# Altium PCB Inverter_2kW.PcbDoc (part 2 of 3)
Units mm, origin at the board's own origin, x right, y up, seen from the top; angles counter-clockwise.
Board outline 300 x 220 mm, 4 copper layers (Top Layer, Mid-Layer 1, Mid-Layer 2, Bottom Layer), stack 1.496 mm thick; 300 components, 167 nets, 848 pads, 363 vias.
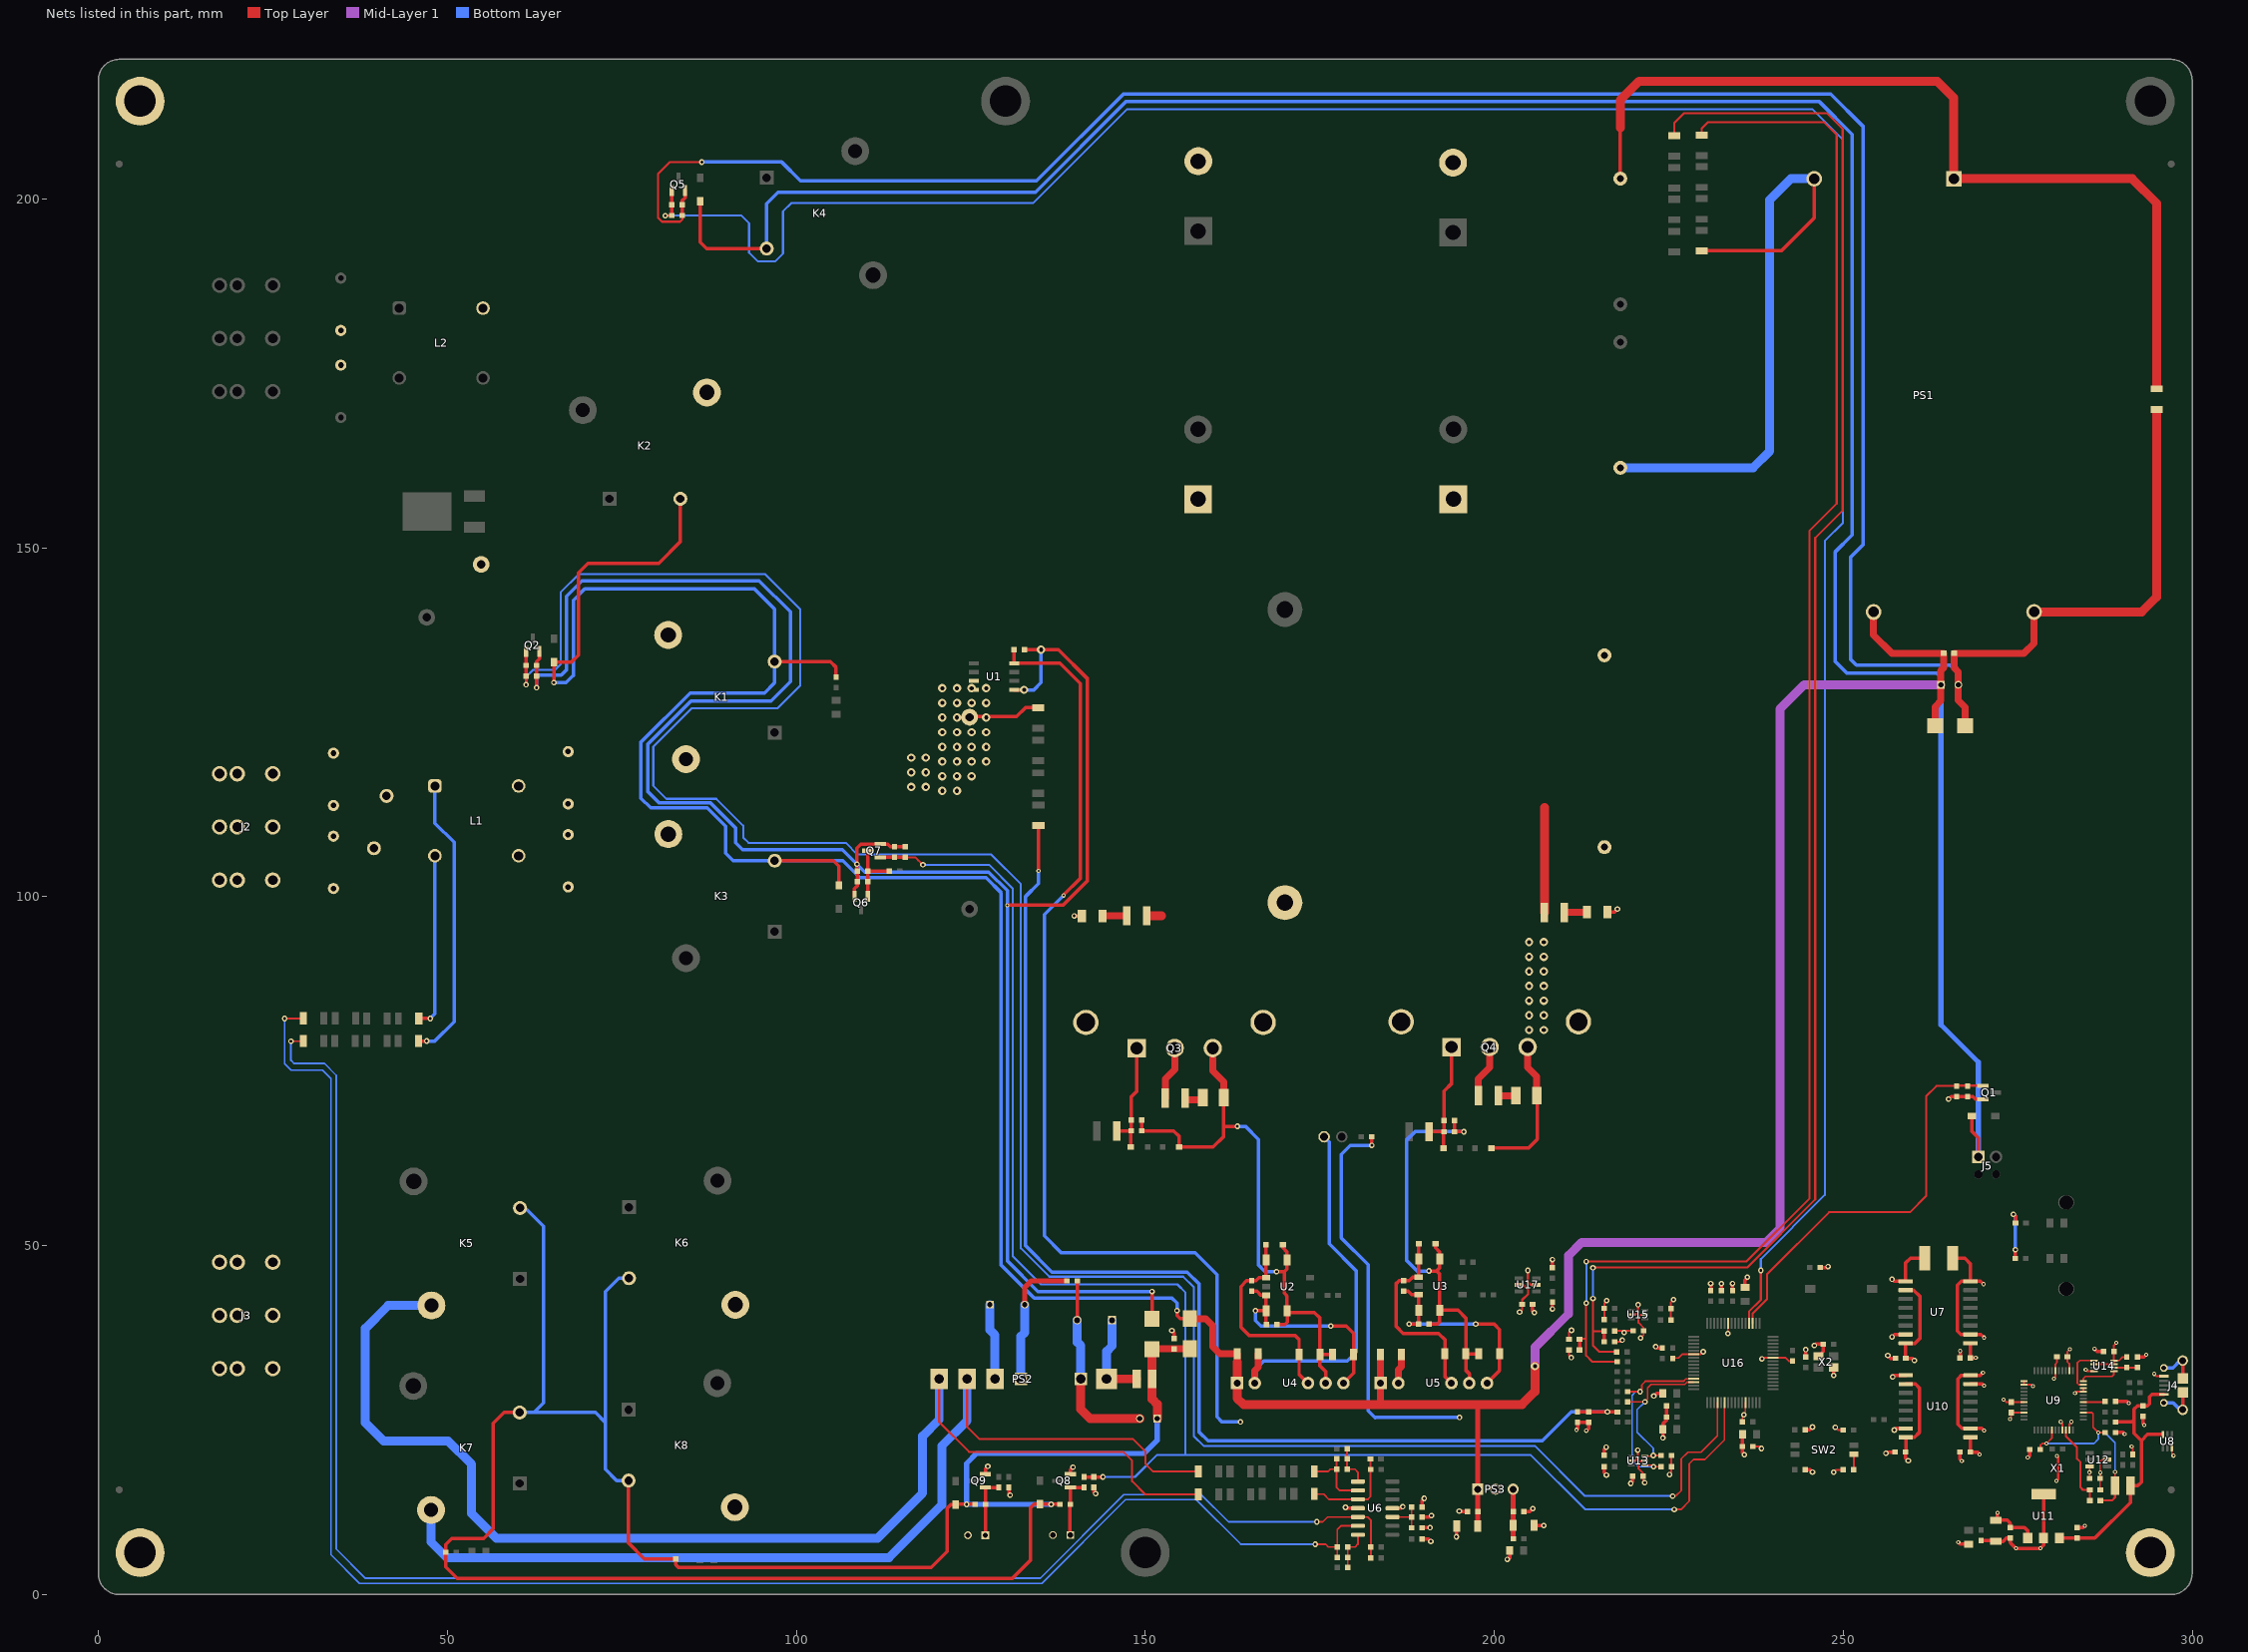
[diagram p4: the nets of this part, all layers, seen from the top]

## Part data
C1 C3 C8 C19 C23 C24 C25 C40: library part CAP_YAG_CC0603KRNPO9BN102_NPO, "Capacitor 1.0n 0603 +-10% 50V", MFR=Yageo, MPN=CC0603KRNPO9BN102, Package / Case=0603, Tolerance=+-10%, Voltage (V)=50, Capacitor (Farad)=1.0n, Category=Capacitor, Part Number=CAP_YAG_CC0603KRNPO9BN102_NPO, Thickness (mm)=0.8, Type=NPO
C2 C34 C53 C54 C56 C59 C61 C62 C64 C66 C71 C72 C73 C78 C79 C94: library part CAP_YAG_CC0603KRX7R9BB104_X7R, "Capacitor 100n 0603 +-10% 50V", MFR=Yageo, MPN=CC0603KRX7R9BB104, Package / Case=0603, Tolerance=+-10%, Voltage (V)=50, Capacitor (Farad)=100n, Part Number=CAP_YAG_CC0603KRX7R9BB104_X7R, Thickness (mm)=0.8, Type=X7R
  C56 C59 C61 C62 C64 C66 C71 C72 C73 C78 C79 C94: Category=Capacitor
C4: library part CAP, MFR="EPCOS / TDK", MPN=B32674D6225K, Supplier="EPCOS / TDK"
C5 C6 C17 C18: library part "Cap Pol1", "Aluminium Electrolytic Capacitors - Snap In 450VDC 470uF 20% PVC STD 6.3mm Term", MFR="EPCOS / TDK", MPN=B43640B5477M000
C7 C49 C52: library part CAP_YAG_CC0603KRNPO9BN101_NPO, "Capacitor 100p 0603 +-10% 50V", MFR=Yageo, MPN=CC0603KRNPO9BN101, Package / Case=0603, Tolerance=+-10%, Voltage (V)=50, Capacitor (Farad)=100p, Category=Capacitor, Part Number=CAP_YAG_CC0603KRNPO9BN101_NPO, Thickness (mm)=0.8, Type=NPO
C9 C20: library part CAP, "Capacitor 100p 1210 +-5% 1kV", MFR=Vishay, MPN=VJ1210A101JXGAT5Z
C10: library part CAP, "CAP FILM 10UF 10% 900VDC", MFR="Vishay / Roederstein", MPN=MKP1848C61090KK2, Price=2.88
C11 C12: library part CAP, "0.01uF ±10% 1000V", MFR=Murata, MPN=GRM31CR73A103KW03L
C13 C14 C15 C16 C21 C22: library part CAP, "4700pF ±20% 440VAC Ceramic Capacitor", MFR=KEMET, MPN=C947U472MZVDBA7317
C26 C55 C58: library part CAP_YAG_CC0603KRX7R9BB105_X7R, "Capacitor 1.0u 0603 +-10% 50V", MFR=Yageo, MPN=CC0603KRX7R9BB105, Package / Case=0603, Tolerance=+-10%, Voltage (V)=50, Capacitor (Farad)=1.0u, Category=Capacitor, Part Number=CAP_YAG_CC0603KRX7R9BB105_X7R, Thickness (mm)=0.8, Type=X7R
C27 C36 C90 C95: library part CAP_YAG_CC0603KRX5R8BB105_X5R, "Capacitor 1.0u 0603 +-10% 25V", MFR=Yageo, MPN=CC0603KRX7R9BB105, Package / Case=0603, Tolerance=+-10%, Voltage (V)=25, Capacitor (Farad)=1.0u, Category=Capacitor, Part Number=CAP_YAG_CC0603KRX5R8BB105_X5R, Thickness (mm)=0.8, Type=X5R
C28 C31 C37 C39 C45 C46: library part CAP_YAG_CC1206KKX7R8BB475, "Capacitor 4.7u 1206 +-10% 25V", MFR=Yageo, MPN=CC1206KKX7R8BB475, Tolerance=+-10%, Voltage (V)=50, Category=Capacitor, Type=X7R
C29 C30 C32 C35: library part "Cap Pol1", "CAP ALUM 100UF 20% 25V SMD", MFR=Panasonic, MPN=EEU-FC1E101S
C33: library part "Cap Pol1", "CAP ALUM 270UF 20% 25V SMD", MFR=Panasonic, MPN=EEU-FC1E271B
C38: library part "Cap Pol1", "CAP ALUM 22UF 20% 450V SMD", MFR=Rubycon, MPN=450BXW22MEFR12.5X20
C41 C42 C43 C44 C67 C80 C81: library part CAP_YAG_CC1206KKX7R8BB106, "Capacitor 10u 1206 +-10% 25V", MFR=Yageo, MPN=CC1206KKX7R8BB106, Tolerance=+-10%, Voltage (V)=50, Category=Capacitor, Type=X7R
C47 C48 C50 C51: library part CAP_YAG_CC0603KRNPO9BN221_NPO, "Capacitor 220p 0603 +-10% 50V", MFR=Yageo, MPN=CC0603KRNPO9BN221, Package / Case=0603, Tolerance=+-10%, Voltage (V)=50, Capacitor (Farad)=220p, Category=Capacitor, Part Number=CAP_YAG_CC0603KRNPO9BN221_NPO, Thickness (mm)=0.8, Type=NPO
C57 C65: library part CAP_YAG_CC0603KRX7R9BB474_X7R, "Capacitor 470n 0603 +-10% 50V", MFR=Yageo, MPN=CC0603KRX7R9BB474, Package / Case=0603, Tolerance=+-10%, Voltage (V)=50, Capacitor (Farad)=470n, Category=Capacitor, Part Number=CAP_YAG_CC0603KRX7R9BB474_X7R, Thickness (mm)=0.8, Type=X7R
C60 C70: library part CAP_YAG_CC0603KRX7R9BB224_X7R, "Capacitor 220n 0603 +-10% 50V", MFR=Yageo, MPN=CC0603KRX7R9BB224, Package / Case=0603, Tolerance=+-10%, Voltage (V)=50, Capacitor (Farad)=220n, Category=Capacitor, Part Number=CAP_YAG_CC0603KRX7R9BB224_X7R, Thickness (mm)=0.8, Type=X7R
C63 C82: library part CAP_YAG_CC0603KRX7R9BB104_X7R, "Capacitor 100n 0603 +-10% 50V", Manufacturer=Yageo, Manufacturer Part Number=CC0603KRX7R9BB104, Package / Case=0603, Tolerance=+-10%, Voltage (V)=50, Capacitor (Farad)=100n, Category=Capacitor, Part Number=CAP_YAG_CC0603KRX7R9BB104_X7R, Thickness (mm)=0.8, Type=X7R
C68 C83 C84 C85 C91 C92 C93: library part CAP_YAG_CC0603KRX5R8BB225_X5R, "Capacitor 2.2u 0603 +-10% 25V", MFR=Yageo, MPN=CC0603KRX5R8BB225, Package / Case=0603, Tolerance=+-10%, Voltage (V)=25, Capacitor (Farad)=2.2u, Category=Capacitor, Part Number=CAP_YAG_CC0603KRX5R8BB225_X5R, Thickness (mm)=0.8, Type=X5R
C69: library part CAP, "0.1uF ±10% 1000V", MFR=KEMET, MPN=C1812C104KDRACTU
C74 C75 C76 C77 C86 C87 C88 C89: library part CAP_YAG_CC0603KRX7R9BB333_X7R, "Capacitor 33n 0603 +-10% 50V", MFR=Yageo, MPN=CC0603KRX7R9BB333, Package / Case=0603, Tolerance=+-10%, Voltage (V)=50, Capacitor (Farad)=33n, Category=Capacitor, Part Number=CAP_YAG_CC0603KRX7R9BB333_X7R, Thickness (mm)=0.8, Type=X7R
C96 C97: library part CAP_YAG_CC0603KRNPO9BN180_NPO, "Capacitor 18p 0603 +-10% 50V", MFR=Yageo, MPN=CC0603KRNPO9BN180, Package / Case=0603, Tolerance=+-10%, Voltage (V)=50, Capacitor (Farad)=18p, Category=Capacitor, Part Number=CAP_YAG_CC0603KRNPO9BN180_NPO, Thickness (mm)=0.8, Type=NPO
D1 D3 D9 D10 D11 D13: library part 1N4148W, "Diodes - General Purpose, Power, Switching SURFACE MOUNT FAST SWITCHING DIODE", MFR="Diodes Incorporated", MPN=1N4148W-7-F
D2 D16 D17 D20 D21 D22 D23: library part LED_SMD, "SMD Surface Mount LED, 5 mA", MFR="Stanley Electric", MPN=VCDG1112H-4BY3C-TR
D4: "Schottky Diodes & Rectifiers 1200V 8A SIC SBD", MFR=onsemi, MPN=FFSD08120A
D5 D7: library part ZenerDiode, "Zener Diodes 16V 300mW 5%", MFR=Nexperia, MPN=BZX384-C16,115
D6 D8 D15 D19: library part ZenerDiode, "Zener Diodes 5.1V 300mW 5%", MFR=Nexperia, MPN=BZX384-C5V1,115
D12 D18: library part ZM4746A-GS08, "ESD Suppressors / TVS Diodes 600W, 23.4V, 5%, Unidirectional, TVS", MFR="Taiwan Semiconductor", MPN=SMBJ20A
D14: "Schottky Diodes & Rectifiers 30V 1A", MFR="Diodes Incorporated", MPN=B130-13-F
FB1 FB2 FB3 FB4: library part SMD_FB, "FERRITE BEAD 1 KOHM 0805 1LN", MFR="Murata Electronics", MPN=BLM21SP102BH1D
HEATSINK_PAD1 HEATSINK_PAD2: "Thermal Interface Products Sil-Pad, Low-Pressure, 0.009\" Thickness, 21.84x18.80mm, TSP1600S/900S", MFR="Bergquist Company", MPN=SP900S-0.009-00-90
HS1 HS2: MFR=Aavid, MPN=530002B02500G
J1 J2 J3: "Pluggable Terminal Blocks 3 Pos 7.62mm pitch Through Hole Header", MFR="Phoenix Contact", MPN=1720806
J4: "CONN RCPT USB2.0 MICRO B SMD R/A", Color=Black, Current Rating=1.8A, Flammability Rating="UL94 V-0", Insulation Resistance=1GR, Max Operating Temperature=85°C, Max Voltage Rating (AC)=100V, MFR="Amphenol FCI", Min Operating Temperature=-55°C, Package Quantity=9600, Supplier Part Number 1=609-4618-1-ND, ComponentLink1Description=http://www.amphenol-icc.com/media/wysiwyg/files/drawing/10118194.pdf?src-supplier=Digi-Key, ComponentLink1URL=http://www.amphenol-icc.com/media/wysiwyg/files/drawing/10118194.pdf?src-supplier=Digi-Key, ComponentLink2Description=https://cdn.amphenol-icc.com/media/wysiwyg/files/drawing/10118194.pdf?src-supplier=Mouser, ComponentLink2URL=https://cdn.amphenol-icc.com/media/wysiwyg/files/drawing/10118194.pdf?src-supplier=Mouser, ComponentLink3Description=https://cdn.amphenol-icc.com/media/wysiwyg/files/drawing/10118194.pdf?src-supplier=Avnet, ComponentLink3URL=https://cdn.amphenol-icc.com/media/wysiwyg/files/drawing/10118194.pdf?src-supplier=Avnet, ComponentLink4Description=https://cdn.amphenol-icc.com/media/wysiwyg/files/drawing/10118194.pdf?src-supplier=Verical, ComponentLink4URL=https://cdn.amphenol-icc.com/media/wysiwyg/files/drawing/10118194.pdf?src-supplier=Verical, Connector Type=USB,Receptacle, Contact Material="Copper Alloy", Contact Plating=Gold, Depth=5mm, Features=Shielded, Gender=Receptacle, Housing Material=Polymer, Lead Free="Lead Free", Length=8.05mm, Mount="Surface Mount,Horizontal", MPN=10118194-0001LF, Number of Contacts=5, Number of Ports=1, Number of Terminals=5, Orientation="Right Angle", Packaging="Tape and Reel", Pitch=0.65mm, Pricing 1="1=0.42, 10=0.393, 25=0.3536, 50=0.3144, 100=0.3013, 250=0.27512, 500=0.26202 (USD)", Radiation Hardening=No, Stock 1=145984, Supplier 1=Digi-Key, Termination=Solder
J5: library part Connector_2Pin, "Fixed Terminal Blocks 2P 2.54mm 90DEG", MFR="Phoenix Contact", MPN=1725656
K1 K2 K3 K4 K5 K6 K7 K8: "p&b Low Cost Pc Board Relay, Immersion Cleanable, 1 Form a _Spst-No_", MFR="TE Connectivity", Package=None, Availability=Unavailable, MPN=T9AS1D12-12, Price=None
L1 L2: library part 744824101, "WE-CMB Common Mode Power Line Choke, THT, Type L, 1mH, 10A, 7mOhm", Case/Size Code="Type L", DC Resistance Max=7mOhm, Insulation Test Voltage=1500VAC, MFR="Wurth Elektronik", Operating Temperature Max=125°C, Operating Temperature Min=-40°C, Rated Current=10A, Rated Voltage (AC)=250V, Category="Common Mode Chokes", ComponentLink1Description="Website Link", ComponentLink1URL=https://www.we-online.com/redexpert/article/744824101?ad, ComponentLink2Description="Datasheet Link", ComponentLink2URL=https://www.we-online.com/redexpert/spec/744824101?ad, Height=33mm, Inductance=1mH, Length=27.5mm, Match Code=WE-CMB, Material=MnZn, Mount="Through Hole", MPN=744824101, Packaging=Carton, Width=18.5mm
L3: library part Inductor, "Custom Inductor with FS-226060-2H305", MPN=Custom
L4: library part Inductor, "Power Inductors - SMD Ind,3x3x1.3mm,4.7uH20%,1.9A,shd", MFR=Bourns, MPN=SRN3015C-4R7M
L5: library part Inductor, "Power Inductors - SMD 3012 22uH 756mOhms +/-20%Tol 500mA", MFR="Taiyo Yuden", MPN=NRH3012T220MN
LED_PIPE1: "LED Light Pipes SMD Double RA 2.8mm 20mm Protrusion", MFR=Bivar, MPN=RLP2-400-800
M1 M2 M3 M4 M5 M6 M7 M8: library part M, Text Field2=-1
MH1 MH2 MH3 MH4 MH5 MH6: library part "Mounting Hole"
PS1: "Isolated Module DC DC Converter 1 Output 12V - - - 1A 100V - 1000V Input", MFR="Mornsun America, LLC", Package="CUSTOM-4 MORNSUN", Availability="Not in stock", Check_prices=https://www.snapeda.com/parts/PV15-27B15R3/MORNSUN/view-part/?ref=eda, MPN=PV15-27B12R3, Price=None, SnapEDA_Link=https://www.snapeda.com/parts/PV15-27B15R3/MORNSUN/view-part/?ref=snap
PS2: "Enclosed AC DC Converters 1 Uitgang 12V 420mA 85 ~ 305 VAC, 70 ~ 430 VDC Input", MFR="Mornsun America, LLC", Package="CUSTOM-6 MORNSUN", Availability="In Stock", MPN=LS05-13B12R3, Price=None
PS3: "Non-Isolated DC/DC Converters DC-DC CONV, SWITCHING REG, 0.5A", MFR="XP Power", MPN=TR05S3V3
Q1 Q2 Q5 Q6 Q7 Q8 Q9: library part MOSFET-N, "MOSFET N-CH 60V 200MA SOT23-3", MFR="Diodes Incorporated", MPN=2N7002-7-F
Q3 Q4: library part MOSFET-N, "MOSFET 1200V 75mO TO-247-3 G3R SiC MOSFET", MFR="GeneSiC Semiconductor", MPN=G3R75MT12D
R1 R15 R19 R20 R28 R37 R38 R39 R53 R54 R64 R65 R71 R72 R81 R84 R102 R103: library part RES, "0.1W/ 10kohm±1%", MFR=Yageo, MPN=RC0603FR-0710KL
R2 R21 R33 R35 R98 R99: library part RES, "0.1W/ 3.3kohm±1%", MFR=Yageo, MPN=RC0603FR-073K3L
R3 R5 R7 R8 R41 R42 R43 R44 R66 R67 R68 R69: library part RES, "0.25W/ 680kohm±1%", MFR=Yageo, MPN=RC1206FR-07680KL
R4: library part RES, "0.25W/ 0ohm±0.05%", MFR=Panasonic, MPN=ERJ-8GEY0R00V
R6 R22 R24 R25: library part RES, "0.1W/ 100kohm±1%", MFR=Yageo, MPN=RC0603FR-07100KL
R9 R10 R11 R12 R16 R17: library part RES, "10 Ohms ±1% 0.5W", MFR=Yageo, MPN=AC1210FR-0710RL
R13 R18: library part RES, "330 kOhm, 3W", MFR="TE Connectivity", MPN=RR03J330KTB
R14 R55 R70: library part RES, "0.1W/ 9.09kohm±1%", MFR=Yageo, MPN=RC0603FR-079K09L
R23: library part "NTC 100K 1% 0805 0.1W_1", "NTC (Negative Temperature Coefficient) Thermistors", MFR=Murata, Supplier Part Number=81-NXFT15WF104FEAB35, MPN=NXFT15WF104FEAB035, Price=0.59, Supplier=Mouser
R26 R36: library part RES, "0.1W/ 100ohm±1%", MFR=Yageo, MPN=RC0603FR-07100RL
R27 R31 R80: library part RES, "0.1W/ 1Mohm±1%", MFR=Yageo, MPN=RC0603FR-071ML
R29 R32: library part RES, "0.1W/ 9.1kohm±1%", MFR=Yageo, MPN=RC0603FR-079K1L
R30 R34: library part RES, "0.1W/ 3.6kohm±1%", MFR=Yageo, MPN=RC0603FR-073K6L
R40: library part RES, "0.1W/ 10kohm±1%", Manufacturer=Yageo, Manufacturer Part Number=RC0603FR-0710KL
R45 R46 R47 R48 R49 R50 R51 R52 R56 R57 R58 R59 R60 R61 R62 R63: library part RES, "0.25W/ 1.6Mohm±1%", MFR=Yageo, MPN=RC1206FR-071M6L
R73: library part RES, "0.1W/ 470ohm±1%", MFR=Yageo, MPN=RC0603FR-0470RL
R74 R77 R82 R94: library part RES, "0.1W/ 2.2kohm±1%", MFR=Yageo, MPN=RC0603FR-072K2L
R75 R76: library part RES, "0.1W/ 27ohm±1%", MFR=Yageo, MPN=RC0603FR-027RL
R78 R95: library part RES, "0.1W/ 0ohm±1%", MFR=Yageo, MPN=RC0603FR-070RL
R79 R90 R96 R97: library part RES, "0.1W/ 680ohm±1%", MFR=Yageo, MPN=RC0603FR-0680RL
R83: library part RES, "0.1W/ 1kohm±1%", MFR=Yageo, MPN=RC0603FR-071KL
R85 R86 R87 R88 R89 R91 R92 R93: library part RES, "0.1W/ 56ohm±1%", MFR=Yageo, MPN=RC0603FR-056RL
R100 R101: library part RES, "0.1W/ 820ohm±1%", MFR=Yageo, MPN=RC0603FR-0820RL
RV1: library part "Res Varistor", "Varistor (Voltage-Sensitive Resistor)", MFR="EPCOS - TDK Electronics", MPN=B72210S2271K101
RV2: library part "Res Varistor", "Varistor (Voltage-Sensitive Resistor)", MFR=Ametherm, MPN="MS22 12103"
SW1: library part 1POS_DIPSW, "DIP Switches/SIP Switches 1 12 Positions, Surface Mount, 2.54 mm Pitch, Slide Actuator, DIP Switch", MFR="CUI Devices", MPN=DS04-254-2-01BK-SMT
SW2: "DIP Switches/SIP Switches SPST 2 switch sections", MFR="CTS Electronic Components", MPN=218-2LPST
U1: "Board Mount Current Sensors Automotive, precisio n isolated current", MFR="Texas Instruments", MPN=TMCS1100A1QDRQ1
U2 U3: "Isolated Gate Drivers Gate Drive Phcplr 3750 Vrms", MFR=Toshiba, MPN=TLP152(TPL,E
U4 U5: "Isolated DC/DC Converters - Through Hole 2W 12-15VIN 5VOUT DC/DC", MFR=Murata, MPN=MGJ2D121505SC
U6: library part TLV9004, "Operational Amplifiers - Op Amps AEC-Q100, 4-channel, 1-MHz, low-noise, RRIO, operational amplifier for cost-optimized systems 14-SOIC -40 to 125", MFR="Texas Instruments", MPN=TLV9004QDRQ1
U7: "Digital Isolators Quad Ch 4/0 150Mbps Digi Iso", MFR="Texas Instruments", Package=None, Availability=Unavailable, MPN=ISO7240MDWR, Price=None
U8: "Diodes - General Purpose, Power, Switching 75V 200mW", MFR=Microchip, MPN=BAW567DW-7-F
U9: library part FT2232D, "USB Bridge, USB to UART USB 2.0 UART Interface 48-LQFP _7x7_", MFR="FTDI, Future", Package="LQFP-48 FTDI", Availability=Unavailable, MPN=FT2232D-REEL, Price=None, SnapEDA_Link=https://www.snapeda.com/parts/FT2232D/FTDI%2C%20Future%20Technology%20Devices%20International%20Ltd/view-part/43700/?ref=snap
U10: "Digital Isolators Quad Ch 2/2 150Mbps Dig Iso", MFR="Texas Instruments", Package=None, Availability=Unavailable, MPN=ISO7242MDWR, Price=None
U11: library part LD1117S33TR, "LDO Voltage Regulators LOW DROPOUT REGULATORS", MFR=onsemi, Supplier Part Number=863-NCP1117LPST33T3G, MPN=NCP1117LPST33T3G, Price=0.46, Supplier=Mouser
U12: "EEPROM Memory IC 1Kb _64 x 16_ SPI 2MHz SOT-23-6", MFR=Microchip, Package="SOT-23-6 Microchip", Availability=Unavailable, MPN=93LC46BT-I/OT, Price=None, SnapEDA_Link=https://www.snapeda.com/parts/93LC46BT-I/OT/Microchip/view-part/106889/?ref=snap
U13 U15: "ESD Suppressors / TVS Diodes LOW CAP DIODE TVS ARRAY", MFR=onsemi, MPN=NUP4202W1T2G
U14: "Flip-Flops Sgl Pos Edge Trgrd D-Type Flip-Flop", MFR="Texas Instruments", Package=None, Availability=Unavailable, MPN=SN74LVC2G74MDCUTEP, Price=None
U16: "32-bit Microcontrollers - MCU Piccolo Microcntrlr", MFR="Texas Instruments", Package=None, Availability=Unavailable, MPN=TMS320F28035PAGQ, Price=None
U17: "Dual Buffer/Driver with Open-Drain Output 6-SOT-23 -40 to 125", MFR="Texas Instruments", Package="SOT-23-6 Texas Instruments", Availability=Unavailable, MPN=SN74LVC2G07DBVR, Price=None, SnapEDA_Link=https://www.snapeda.com/parts/SN74LVC2G07DBVR/Texas%20Instruments/view-part/381627/?ref=snap, Texas_Instruments-Purchase-URL=https://snapeda.com/shop?store=Texas+Instruments&id=381627
X1: library part XTAL, "Resonators 6.0 MHZ", MFR=Murata, MPN=CSTCR6M00G53-R0
X2: library part ABM8-20.000MHZ, "Crystals CRYSTAL 20.0000MHZ 10PF SMD", MFR=ABRACON, MPN=ABM8-20.000MHZ-10-B1U-T

## Via types
v1: diameter 1.2, hole 0.6, Top Layer to Bottom Layer, tented both sides, 165 vias
v2: diameter 0.8, hole 0.4, Top Layer to Bottom Layer, tented both sides, 141 vias
v3: diameter 0.6, hole 0.3, Top Layer to Bottom Layer, tented both sides, 57 vias

## Nets (pads, with @x,y where several pads share a name; then routed paths per layer and width w, separated by ;. In a path a pad name is that pad's centre, name@x,y a point inside that pad or via, vN(x,y) a via of type N, cw(c..) or ccw(c..) an arc to the next point about the centre after c; other vN are vias at no path point)
3V3_ISO: C56.2 C59.2 C60.2 C64.2 C66.2 C67.2 C70.2 C71.2 R79.2 R83.2 R84.1 U7.1 U9.14 U9.31 U10.1 U10.7 U11.2 U11.4 U12.6 U14.2 U14.7 U14.8 | length 43.6
  Top Layer w0.254: v3(273,27.925) 273.35,27.575 C59.2@274.1,27.575 U9.31@275.925,27.575 ; U9.14@282.425,32.075 282.425,33.05 282.125,33.35 C60.2@282.125,34.075 282.125,34.825 v3(282.475,35.175) ; U12.6@285.32,18.375 285.32,16.63 C71.2@285.325,16.625 ; U14.2@285.946,33.027 U14.7@288.79,33.027 U14.8@288.79,33.535 ; v3(289.15,36.075) 288.793,35.718 C70.2@288.793,34.823 288.79,34.82 U14.8@288.79,33.535 ; R83.2@290.643,34.023 290.043,34.023 289.555,33.535 U14.8@288.79,33.535 ; v3(291.325,21.2) 291.5,21.025 R84.1@291.5,20.075
  Top Layer w0.5: C56.2@268.225,33.9 C56.2@268.24,33.915 ; U7.1@268.24,36.005 C56.2@268.24,33.915 ; U10.1@268.25,22.54 C64.2@268.25,20.425 269.2,20.425 v3(269.55,20.075) ; U10.7@268.25,30.16 269.965,30.16 v3(270.175,29.95) ; v3(269,33.925) 268.25,33.925 C56.2@268.24,33.915 ; R79.2@269.75,7.725 C67.2@271.875,7.725 ; C67.2@271.875,7.625 272.9,7.625 273.375,8.1 C66.2@273.95,8.1 273.95,7.425 v3(274.75,6.625) v3(278.25,6.625) 278.725,7.1 U11.2@278.725,8.101 U11.4@278.725,14.4
  other v3: 285.3,17.525
5V_USB: C63.2 C68.2 J4.1 L5.1 R81.1 U8.6 U11.3 | length 39.1
  Top Layer w0.5: U11.3@281.011,8.101 286.051,8.101 291.15,13.2 L5.1@291.15,15.6 292.2,15.6 292.725,16.125 292.725,22.05 ; R81.1@289.05,24.725 291.375,24.725 291.675,25.025 ; U8.6@295.7,22.95 293.625,22.95 292.725,22.05 ; J4.1@295.95,28.675 294.225,28.675 293.875,28.325 293.875,27.35 293.575,27.05 C63.2@292.95,27.05 292.15,27.05 291.675,26.575 291.675,25.025 ; 291.675,25.025 291.675,23.1 292.725,22.05
+3.3V: C2.2 C57.2 C65.2 C72.2 C78.2 C79.2 C80.2 C90.2 C94.2 FB1.2 FB2.2 FB3.2 PS3.3 R20.1 R71.1 R90.2 R94.1 R96.2 R97.2 R100.2 R101.2 U1.8 U6.4 U7.10 U7.16 U10.10 U10.16 U13.5 U15.5 U17.5 | length 272.9
  Top Layer w0.254: v2(220.975,36.75) 221.4,37.175 C78.2@221.4,37.8 221.4,38.225 220.675,38.95 220.675,39.725 221.075,40.125 U15.5@221.58,40.125 ; v2(221.575,16.025) 221.35,16.25 C72.2@221.35,16.975 221.35,17.375 220.675,18.05 220.675,18.775 221.075,19.175 U13.5@221.58,19.175
  Top Layer w0.3: U17.5@203.545,44.375 204.175,44.375 204.85,43.7 204.85,43.075 204,42.225 C94.2@204,41.6 204,40.825 v2(203.65,40.475)
  Top Layer w0.5: C2.2@131.225,135.375 U1.8@131.225,133.455 137.795,133.455 140.7,130.55 140.7,102.625 138.3,100.225 v3(138.3,100.175) ; v2(178.7,12.5) 178.825,12.375 U6.4@180.475,12.375 ; v2(182.475,64.375) R20.1@182.475,65.6 ; R71.1@189.675,12.525 189.675,13.475 v2(189.975,13.775) ; v2(222.875,28.45) 223.25,28.825 FB3.2@224.175,28.825 ; v2(223.15,35.525) 223.35,35.325 R94.1@224.075,35.325 ; FB1.2@235.575,22.975 235.575,20.325 v2(235.85,20.05) ; FB2.2@235.95,44.05 235.95,45.075 v2@236.375,45.5 ; R100.2@244.575,17.875 245.275,17.875 v2(245.6,17.55) ; R101.2@244.575,23.625 245.225,23.625 v2(245.6,24) ; C65.2@258.95,20.425 258.95,19.55 v2(259.325,19.175) ; U7.10@258.96,43.625 260.1,43.625 260.975,42.75 260.975,36.675 260.305,36.005 U7.16@258.96,36.005 258.96,33.865 C57.2@258.975,33.85 259.9,33.85 v2(260.2,33.55) ; U10.10@258.97,30.16 260.34,30.16 260.9,29.6 260.9,23.225 260.215,22.54 U10.16@258.97,22.54 258.975,22.535 C65.2@258.975,20.35 ; v2(274.4,54.475) 274.7,54.175 R96.2@274.7,53.25 ; R97.2@274.675,48.15 v2(274.675,49.4)
  Top Layer w0.75: R90.2@202.725,8.225 C80.2@202.725,9.9 C79.2@202.725,11.9 ; C79.2@202.725,12.025 PS3.3@202.725,15.09
  Bottom Layer w0.5: v3(138.3,100.175) 135.55,97.425 135.55,51.4 137.95,49 157.125,49 160.275,45.85 160.275,25.45 161,24.725 v2(163.65,24.725) ; v2(182.475,64.375) 179.4,64.375 178.1,63.075 178.1,51.1 181.925,47.275 181.925,26.3 182.925,25.3 183,25.375 v2(195.025,25.375) ; v2(274.4,54.475) 274.7,54.175 274.675,54.15 v2(274.675,49.4)
  other v2: 236.275,45.475
+12V: C26.2 C29.1 C43.2 C44.2 C81.2 C82.2 D1.C D3.C D9.C D10.C D12.C D14.C J5.1 K1.2 K2.2 K3.2 K4.2 PS1.3 PS3.1 R2.2 U4.1 U5.1 | length 912.2
  Top Layer w0.5: v2(65.275,130.675) D3.C@65.275,133.595 67.77,133.595 68.8,134.625 68.8,146.4 70.175,147.775 80.3,147.775 83.4,150.875 K2.2@83.4,157.025 ; D9.C@86.25,199.645 86.25,193.8 87.165,192.885 K4.2@95.76,192.885 ; K1.2@96.9,133.695 104.88,133.695 105.712,132.863 R2.2@105.712,131.489 ; K3.2@96.915,105.165 105.335,105.165 106.1,104.4 D10.C@106.1,101.63 ; v2(154.55,40.7) 154.55,39.975 154.985,39.54 D14.C@156.375,39.54 ; D1.C@268.47,68.55 268.47,66.33 269.36,65.44 J5.1@269.36,62.725
  Top Layer w0.75: 197.575,27.225 197.635,27.165 PS3.1@197.635,15.1 C81.2@197.635,10.41
  Top Layer w1: D14.C@156.375,39.54 158.66,39.54 159.675,38.525 159.675,35.525 160.7,34.5 C43.2@163.175,34.5 ; 163.16,33.275 163.175,33.29 C43.2@163.175,34.5 ; C43.2@163.2,34.5 C43.2@163.175,34.5 ; C44.2@183.7,34.4 183.7,30.325 U5.1@183.725,30.3 183.725,27.225 ; PS1.3@254.35,140.805 254.35,137.5 256.95,134.9 C26.2@264.4,134.9 264.4,132.8 264,132.4 C29.1@264,130.375 264,128.05 263.16,127.21 D12.C@263.16,124.525
  Top Layer w1.27: 163.16,33.275 U4.1@163.16,30.3 163.16,28.14 164.075,27.225 183.725,27.225 197.575,27.225 203.975,27.225 205.85,29.1 v1(205.85,32.725)
  Mid-Layer 1 w1.27: v1(205.85,32.725) 205.85,35.425 210.65,40.225 210.65,48.575 212.55,50.475 238.975,50.475 240.95,52.45 240.95,126.9 244.425,130.375 C29.1@264,130.375
  Bottom Layer w0.5: v2(65.275,130.675) 67,130.675 68.075,131.75 ; 68.075,131.675 68.075,131.75 ; K4.2@95.76,192.885 95.76,199.31 97.4,200.95 134.25,200.95 147.225,213.925 246.6,213.925 251.3,209.225 251.3,151.85 248.825,149.375 248.825,133.775 250.525,132.075 263.4,132.075 264,131.475 C29.1@264,130.375 ; v2(154.55,40.7) 154.55,41.75 153.825,42.475 134.1,42.475 129.375,47.2 129.375,100.55 127.2,102.725 109.1,102.725 106.66,105.165 90.935,105.165 89.875,106.225 89.875,110.075 87.225,112.725 79.15,112.725 77.75,114.125 77.75,122.15 84.8,129.2 95.45,129.2 96.9,130.65 K1.2@96.9,133.695 96.9,141.225 94,144.125 69.7,144.125 68.075,142.5 68.075,131.75
  Bottom Layer w0.75: C29.1@264,130.375 264,81.65 269.36,76.29 J5.1@269.36,62.725
+12V_AC: C34.2 C35.1 D11.C D13.C D14.A D18.C K5.2 K6.2 K7.2 K8.2 L4.2 R27.2 R31.2 R33.2 R35.2 | length 339.5
  Top Layer w0.5: K7.2@60.375,26.085 58.16,26.085 56.6,24.525 56.6,9.425 55.2,8.025 50.65,8.025 49.8,7.175 R33.2@49.8,6.05 49.8,3.975 51.449,2.326 130.951,2.326 133.525,4.9 133.525,12.4 134.07,12.945 D11.C@134.95,12.945 134.97,12.925 R27.2@137.775,12.925 ; K8.2@75.975,16.33 75.975,7.375 78.25,5.1 R35.2@82.75,5.1 82.75,4.275 83.125,3.9 119.35,3.9 121.6,6.15 121.6,12.35 122.17,12.92 D13.C@122.85,12.92 122.855,12.925 R31.2@125.6,12.925 ; D18.C@150.975,35.185 D18.C@150.99,35.2